# Altium PCB k210.PcbDoc (part 1 of 2) (continued)
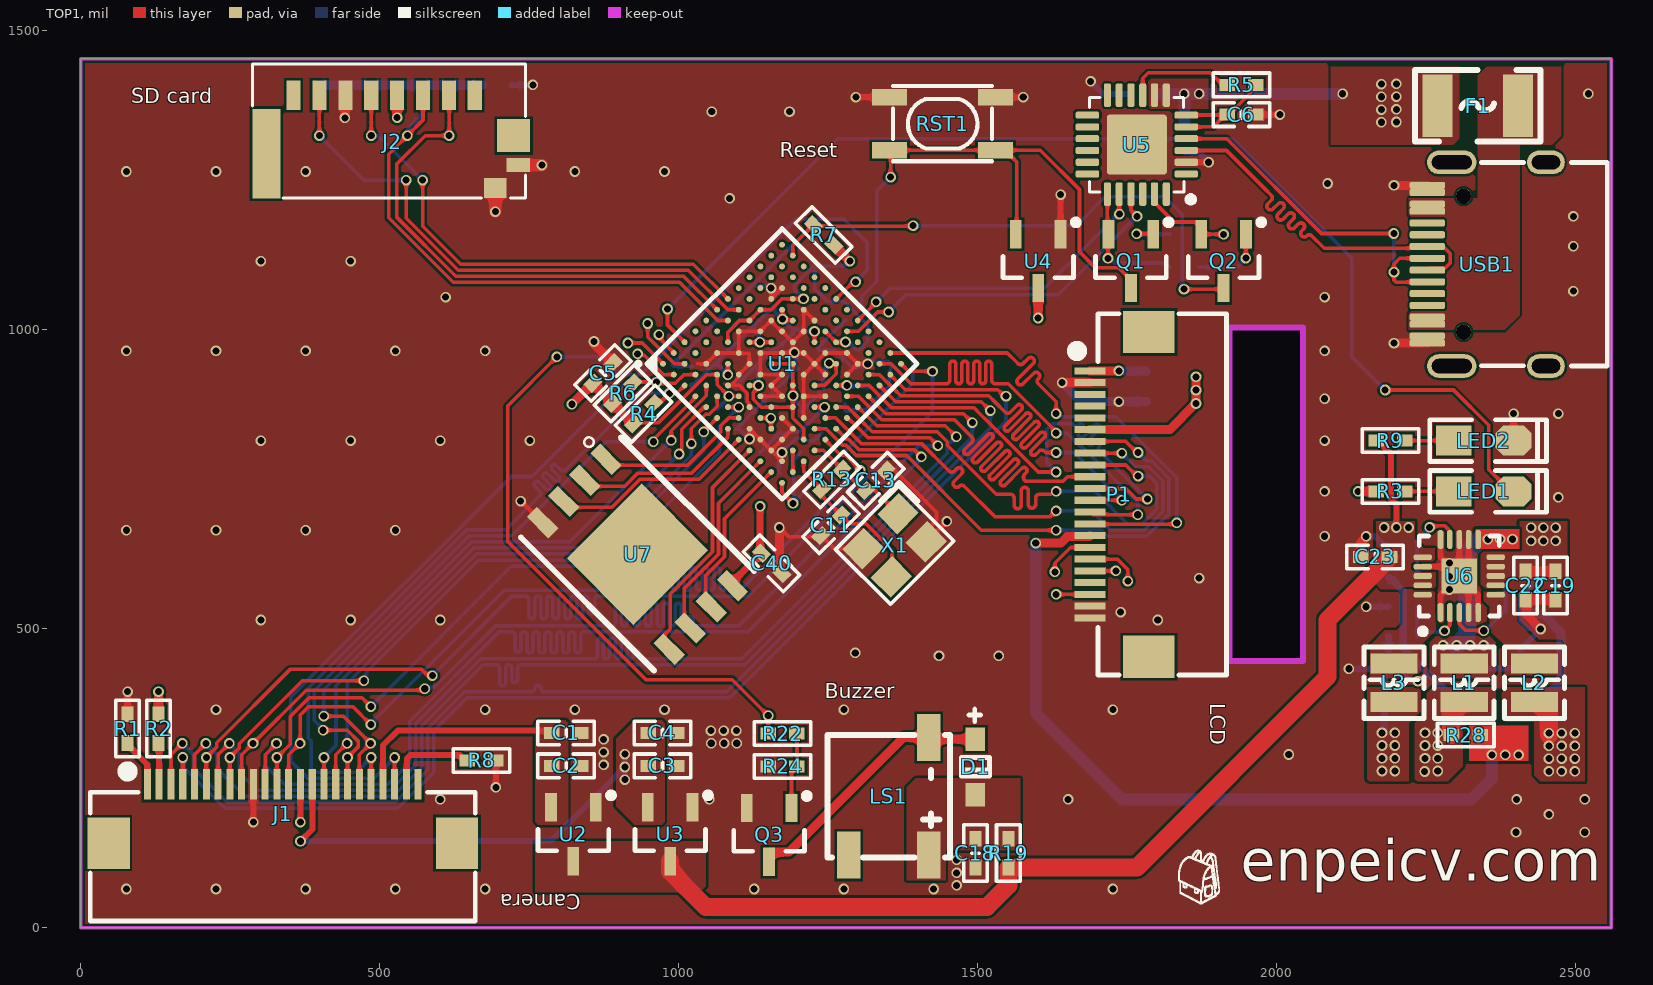
[diagram p0: TOP1 view]
## Footprints (in the part's own frame and the unit in brackets; to place one, negate y for a bottom-side part, rotate by r counter-clockwise, add the part's x,y. Pads: shape width x height; smd on the part's side, far side on the other; paste and mask are expansions set on the pad)
BGA144C65P12X12_800X800X95 [mm] "BGA, 144-Leads, Body 8.00x8.00mmx0.95mm, Pitch 0.65mm"
  round 0.25 smd mask+0.051: A1(-3.575,3.575) A2(-2.925,3.575) A3(-2.275,3.575) A4(-1.625,3.575) A5(-0.975,3.575) A6(-0.325,3.575) A7(0.325,3.575) A8(0.975,3.575) A9(1.625,3.575) A10(2.275,3.575) A11(2.925,3.575) A12(3.575,3.575) B1(-3.575,2.925) B2(-2.925,2.925) B3(-2.275,2.925) B4(-1.625,2.925) B5(-0.975,2.925) B6(-0.325,2.925) B7(0.325,2.925) B8(0.975,2.925) B9(1.625,2.925) B10(2.275,2.925) B11(2.925,2.925) B12(3.575,2.925) C1(-3.575,2.275) C2(-2.925,2.275) C3(-2.275,2.275) C4(-1.625,2.275) C5(-0.975,2.275) C6(-0.325,2.275) C7(0.325,2.275) C8(0.975,2.275) C9(1.625,2.275) C10(2.275,2.275) C11(2.925,2.275) C12(3.575,2.275) D1(-3.575,1.625) D2(-2.925,1.625) D3(-2.275,1.625) D4(-1.625,1.625) D5(-0.975,1.625) D6(-0.325,1.625) D7(0.325,1.625) D8(0.975,1.625) D9(1.625,1.625) D10(2.275,1.625) D11(2.925,1.625) D12(3.575,1.625) E1(-3.575,0.975) E2(-2.925,0.975) E3(-2.275,0.975) E4(-1.625,0.975) E5(-0.975,0.975) E6(-0.325,0.975) E7(0.325,0.975) E8(0.975,0.975) E9(1.625,0.975) E10(2.275,0.975) E11(2.925,0.975) E12(3.575,0.975) F1(-3.575,0.325) F2(-2.925,0.325) F3(-2.275,0.325) F4(-1.625,0.325) F5(-0.975,0.325) F6(-0.325,0.325) F7(0.325,0.325) F8(0.975,0.325) F9(1.625,0.325) F10(2.275,0.325) F11(2.925,0.325) F12(3.575,0.325) G1(-3.575,-0.325) G2(-2.925,-0.325) G3(-2.275,-0.325) G4(-1.625,-0.325) G5(-0.975,-0.325) G6(-0.325,-0.325) G7(0.325,-0.325) G8(0.975,-0.325) G9(1.625,-0.325) G10(2.275,-0.325) G11(2.925,-0.325) G12(3.575,-0.325) H1(-3.575,-0.975) H2(-2.925,-0.975) H3(-2.275,-0.975) H4(-1.625,-0.975) H5(-0.975,-0.975) H6(-0.325,-0.975) H7(0.325,-0.975) H8(0.975,-0.975) H9(1.625,-0.975) H10(2.275,-0.975) H11(2.925,-0.975) H12(3.575,-0.975) J1(-3.575,-1.625) J2(-2.925,-1.625) J3(-2.275,-1.625) J4(-1.625,-1.625) J5(-0.975,-1.625) J6(-0.325,-1.625) J7(0.325,-1.625) J8(0.975,-1.625) J9(1.625,-1.625) J10(2.275,-1.625) J11(2.925,-1.625) J12(3.575,-1.625) K1(-3.575,-2.275) K2(-2.925,-2.275) K3(-2.275,-2.275) K4(-1.625,-2.275) K5(-0.975,-2.275) K6(-0.325,-2.275) K7(0.325,-2.275) K8(0.975,-2.275) K9(1.625,-2.275) K10(2.275,-2.275) K11(2.925,-2.275) K12(3.575,-2.275) L1(-3.575,-2.925) L2(-2.925,-2.925) L3(-2.275,-2.925) L4(-1.625,-2.925) L5(-0.975,-2.925) L6(-0.325,-2.925) L7(0.325,-2.925) L8(0.975,-2.925) L9(1.625,-2.925) L10(2.275,-2.925) L11(2.925,-2.925) L12(3.575,-2.925) M1(-3.575,-3.575) M2(-2.925,-3.575) M3(-2.275,-3.575) M4(-1.625,-3.575) M5(-0.975,-3.575) M6(-0.325,-3.575) M7(0.325,-3.575) M8(0.975,-3.575) M9(1.625,-3.575) M10(2.275,-3.575) M11(2.925,-3.575) M12(3.575,-3.575)
  silkscreen extent -4.39,-4.06 4.06,4.39, body extent -4,-4 4,4, height 0.95
BUZ-SMD_4P-L5.0-W5.0-P3.80-TL [mm]
  rect 1x2 smd: 1(-1.7,2.5) 2(-1.7,-2.5) 3(1.7,2.5)
  silkscreen extent -2.6,-2.6 2.6,2.6, body extent -2.5,-2.48 2.5,2.53, height 2.51
"C 0402_M" [mil] "无极性贴片电容                                  淘宝ID:黄晶宝石"
  rect 26x20 smd: 1(-24,0) 2(24,0)
  silkscreen extent -47,-20 47,20, body extent -20,-10 20,10, height 21
"FPC0.5 2H-WS-22P" [mm] "长：15.2mm，宽：5.2mm，高：2mm 淘宝ID:黄晶宝石   店铺网址:https://shop463601444.taobao.com"
  rect 1.8x2.2 smd: 0(-6.9,0) 0(6.9,0)
  rect 0.3x1.3 smd: 1(-5.25,-2.497) 2(-4.75,-2.497) 3(-4.25,-2.497) 4(-3.75,-2.497) 5(-3.25,-2.497) 6(-2.75,-2.497) 7(-2.25,-2.497) 8(-1.75,-2.497) 9(-1.25,-2.497) 10(-0.75,-2.497) 11(-0.25,-2.497) 12(0.25,-2.497) 13(0.75,-2.497) 14(1.25,-2.497) 15(1.75,-2.497) 16(2.25,-2.497) 17(2.75,-2.497) 18(3.25,-2.497) 19(3.75,-2.497) 20(4.25,-2.497) 21(4.75,-2.497) 22(5.25,-2.497)
  silkscreen extent -7.68,-3.23 7.68,3.3, body extent -7.6,-2.85 7.6,3.15, height 2
"FPC0.5 2H-WS-24P" [mm] "长：16.2mm，宽：5.2mm，高：2mm 淘宝ID:黄晶宝石   店铺网址:https://shop463601444.taobao.com"
  rect 1.8x2.2 smd: 0(-7.4,0) 0(7.4,0)
  rect 0.3x1.3 smd: 1(-5.75,2.497) 2(-5.25,2.497) 3(-4.75,2.497) 4(-4.25,2.497) 5(-3.75,2.497) 6(-3.25,2.497) 7(-2.75,2.497) 8(-2.25,2.497) 9(-1.75,2.497) 10(-1.25,2.497) 11(-0.75,2.497) 12(-0.25,2.497) 13(0.25,2.497) 14(0.75,2.497) 15(1.25,2.497) 16(1.75,2.497) 17(2.25,2.497) 18(2.75,2.497) 19(3.25,2.497) 20(3.75,2.497) 21(4.25,2.497) 22(4.75,2.497) 23(5.25,2.497) 24(5.75,2.497)
  silkscreen extent -8.18,-3.3 8.18,3.23, body extent -8.1,-3.15 8.1,2.85, height 2
"FU 1210" [mil] "贴片保险丝        淘宝ID:黄晶宝石"
  rect 50x105 smd: 1(-67.5,0) 2(67.5,0)
  silkscreen extent -105,-60 105,60, body extent -63,-50 63,50, height 34
"LED 0805G" [mil] "绿色0805LED                              淘宝ID:黄晶宝石"
  rect 60x50 smd: 1(-50,0)
  oct 60x50 smd: 2(50,0)
  silkscreen extent -90,-35 105,35, body extent -39,-25 39,25, height 26
NR2520 [mm] "2.5mm*2.0mm*1.0mm(长*宽*高）"
  rect 0.85x2 smd: 1(-0.825,0) 2(0.825,0)
  silkscreen extent -1.52,-1.27 1.52,1.27, body extent -1.25,-1 1.25,1, height 1.1
"OSC 3225-4P" [mm] "3.2*2.5*0.7mm(长宽高)                         淘宝ID:黄晶宝石"
  rect 1.3x1.2 smd: 1(-1.05,-0.85) 2(1.05,-0.85) 3(1.05,0.85) 4(-1.05,0.85)
  silkscreen extent -2.03,-1.75 1.9,1.65, body extent -1.6,-1.25 1.6,1.25, height 0.7
QFN20_40P300X300X80_HS-21N [mm] "QFN, 20-Leads, Body 3.00x3.00mm, Pitch 0.40mm, Thermal Pad 1.65x1.65mm, IPC Medium Density"
  oct 0.8x0.24 smd: 1(-1.55,0.8) 2(-1.55,0.4) 3(-1.55,0) 4(-1.55,-0.4) 5(-1.55,-0.8) 11(1.55,-0.8) 12(1.55,-0.4) 13(1.55,0) 14(1.55,0.4) 15(1.55,0.8)
  oct 0.24x0.8 smd: 6(-0.8,-1.55) 7(-0.4,-1.55) 8(0,-1.55) 9(0.4,-1.55) 10(0.8,-1.55) 16(0.8,1.55) 17(0.4,1.55) 18(0,1.55) 19(-0.4,1.55) 20(-0.8,1.55)
  rect 1.5x1.5 smd: 21(0,0)
  silkscreen extent -2.47,-1.7 1.7,1.7, body extent -1.56,-1.56 1.56,1.56, height 0.8
QFN-24_L4.0-W4.0-P0.50-BL-EP2.8 [mm]
  rrect50% 0.3x1 smd: 1(-1.25,-2.1) 2(-0.75,-2.1) 3(-0.25,-2.1) 4(0.25,-2.1) 5(0.75,-2.1) 6(1.25,-2.1) 13(1.25,2.1) 14(0.75,2.1) 15(0.25,2.1) 16(-0.25,2.1) 17(-0.75,2.1) 18(-1.25,2.1)
  rrect50% 1x0.3 smd: 7(2.1,-1.25) 8(2.1,-0.75) 9(2.1,-0.25) 10(2.1,0.25) 11(2.1,0.75) 12(2.1,1.25) 19(-2.1,1.25) 20(-2.1,0.75) 21(-2.1,0.25) 22(-2.1,-0.25) 23(-2.1,-0.75) 24(-2.1,-1.25)
  rrect10% 2.55x2.55 smd: 25(0,0)
  silkscreen extent -2.58,-2.54 2.01,2.01, body extent -2,-2 2,2, height 0.9
"R 0402_M" [mil] "1/16W贴片电阻       淘宝ID:黄晶宝石"
  rect 26x20 smd: 1(-24,0) 2(24,0)
  silkscreen extent -47,-20 47,20, body extent -20,-10 20,10, height 12
SMD-3.2*4.2 [mm]
  rect 1.5x0.7 smd: 1(-2.25,1.125) 1(2.25,1.125) 2(-2.25,-1.125) 2(2.25,-1.125)
  silkscreen extent -2.1,-1.6 2.1,1.6, body extent -2.73,-1.6 2.47,1.58, height 1.8
SOD-323 [mm]
  rect 1x0.83 smd: 1(0,0) 2(2.36,0)
  silkscreen extent -1.28,-0.6 1.58,0.6
SOT23-3N [mm] "3x1.3x1mm(长宽高)    封装库来自淘宝卖家 ID：黄晶宝石"
  rect 0.5x1.2 smd: 1(-0.95,-1.143) 2(0.95,-1.143) 3(0,1.143)
  silkscreen extent -1.73,-1.78 1.5,0.7, body extent -1.5,-1.2 1.5,1.2, height 1.05
"TF-SOCKET - short" [mm]
  rect 1.25x0.6 smd: 1(-1.975,3.5) 2(-1.975,2.4) 3(-1.975,1.3) 4(-1.975,0.2) 5(-1.975,-0.9) 6(-1.975,-2) 7(-1.975,-3.1) 8(-1.975,-4.2)
  rect 0.85x0.95 smd: 9(1.975,4.375)
  rect 0.6x1 smd: 10(1,5.35)
  rect 3.8x1.2 smd: G1(0.51,-5.35)
  rect 1.4x1.4 smd: G2(-0.25,5.15)
  silkscreen extent -3.3,-5.95 2.39,5.65, body extent -3.16,-5.82 2.29,5.58, height 2.27
Type-C-TOP [mm]
  round 0.65 hole 0.65: 0(-0.98,-2.89) 0(-0.98,2.89)
  oval 1.6x1 hole 0.6 slot 1.2 at 0 deg: 1(2.52,4.325) 2(2.52,-4.325)
  oval 2.1x1 hole 0.6 slot 1.7 at 0 deg: 3(-1.48,-4.325) 4(-1.48,4.325)
  rrect50% 1.5x0.3 smd: A1(-2.52,-3.35) A4(-2.52,-2.55) A5(-2.52,-1.25) A6(-2.52,-0.25) A7(-2.52,0.25) A8(-2.52,1.25) A9(-2.52,2.55) A12(-2.52,3.35) B1(-2.52,3.05) B4(-2.52,2.25) B5(-2.52,1.75) B6(-2.52,0.75) B7(-2.52,-0.75) B8(-2.52,-1.75) B9(-2.52,-2.25) B12(-2.52,-3.05)
  silkscreen extent -0.22,-4.33 5.12,4.33, body extent -2.64,-4.48 5.26,4.46, height 3.28
WSON-8_L8.0-W6.10-P1.27-BL-EP [mm]
  rect 0.6x1.3 smd: 1(-1.905,-3.8) 2(-0.635,-3.8) 3(0.635,-3.8) 4(1.905,-3.8) 5(1.905,3.8) 6(0.635,3.8) 7(-0.635,3.8) 8(-1.905,3.8)
  rect 4.5x4 smd: 9(0,0)
  silkscreen extent -3,-5.03 3,4, body extent -3,-4.04 3,3.96, height 0.81

## Part data
C1 C2 C3 C4 C5 C6 C7 C8 C9 C10 C11 C12 C13 C14 C15 C16 C17 C18 C19 C20 C21 C22 C23 C24 C25 C26 C27 C28 C29 C30 C31 C32 C33 C34 C35 C36 C37 C38 C39 C40 C41 C42: library part C, "贴片电容"
D1: "开关二极管"
F1: library part FU, "贴片保险丝"
J1: library part OV5640, "Header, 24-Pin", LatestRevisionDate=17-Jul-2002, LatestRevisionNote="Re-released for DXP Platform.", Publisher="Altium Limited"
J2: library part TF_Card, "TF卡座"
L1 L2 L3: library part L-NR, "NR磁胶电感"
LED1 LED2: library part LED-SMD, "贴片LED"
LS1: "蜂鸣器"
P1: library part FPC22_new
Q1 Q2 Q3: library part 8050-SMD, "高频放大-NPN型"
R1 R2 R3 R4 R5 R6 R7 R8 R9 R10 R11 R12 R13 R14 R15 R16 R17 R18 R19 R20 R21 R22 R23 R24 R25 R26 R27 R28: library part R, "贴片电阻"
RST1: library part KEY_M
U1: "Canaan Kendryte K210 AI SoC", VENDOR="CANAAN INC."
U2 U3: library part XC6206-3.3, "SOT-23,XC6206P332MR,MAX8V,100mA"
U7: "WSON-8"
USB1: library part USB_Type-C
X1: library part XTAL-4P, "4脚无源晶振"

## Via types
v1: diameter 17.72, hole 11.81, TOP1 to Bottom 4, tented both sides, 294 vias

## Nets (pads, with @x,y where several pads share a name; then routed paths per layer and width w, separated by ;. In a path a pad name is that pad's centre, name@x,y a point inside that pad or via, vN(x,y) a via of type N, cw(c..) or ccw(c..) an arc to the next point about the centre after c; other vN are vias at no path point)
0V9: C29.2 C30.2 C31.1 C32.1 C33.1 C34.1 C35.1 C36.1 C37.1 C38.1 C39.1 C41.1 C42.1 L3.2 R26.2 U1.D4 U1.D6 U1.D9 U1.E7 U1.E9 U1.F4 U1.F6 U1.G7 U1.G9 U1.H4 U1.H6 U1.J5 U1.J7 U1.J9 U1.L4 | length 1273.3
  TOP1 w6: v1(1082.08,925) U1.D4@1082.08,943.39 ; U1.F4@1118.27,907.2 1118.32,907.15 v1(1133.23,907.15) 1133.23,903.98 1124.45,895.19 1124.45,884.16 1137.6,871 U1.J5@1190.65,871 ; U1.D6@1118.27,979.58 1118.34,979.51 v1@1130.35,979.51 ; v1(1135.55,979.51) 1154.43,979.54 U1.E7@1154.46,979.58 ; U1.F6@1154.46,943.39 U1.G7@1190.65,943.39 U1.H6@1190.65,907.2 U1.J5@1190.65,871 ; U1.D9@1172.56,1033.86 1173.37,1033.05 v1(1173.37,1017.98) 1174.84,1016.5 1189.92,1016.5 U1.E9@1190.65,1015.77 ; U1.L4@1208.75,816.72 1208.75,834.81 1190.65,852.91 U1.J5@1190.65,871 ; U1.J7@1226.84,907.2 1243.7,907.2 1263.04,926.53 U1.J9@1263.04,943.39 v1@1250.94,943.39 ; U1.G9@1226.84,979.58 v1(1226.83,997.53)
  Bottom 4 w6: C38.1@1023.07,907.37 1023.52,907.37 C34.1@1056.99,940.83 C34.1@1057.89,940.83 ; v1(1082.08,925) 1066.25,940.83 C34.1@1057.89,940.83 ; C32.1@1096.09,901.92 1096.09,907.2 1157.52,968.62 C33.1@1164.68,968.62 C37.1@1198.03,1001.97 ; C36.1@1130.39,935.27 1132.51,933.15 1132.51,907.87 v1(1133.23,907.15) ; v1(1135.55,979.51) 1133.3,981.75 1133.3,990.29 1125.73,997.86 C31.1@1125.73,1007.76 ; v1(1190.94,890) 1193.19,887.76 1193.19,883.41 1204.84,871.75 1204.84,863.5 C41.1@1237.25,895.91 ; v1(1226.83,997.53) 1203.42,997.53 C37.1@1198.97,1001.97 C37.1@1198.03,1001.97 ; C41.1@1243.46,900.68 1241.46,902.69 1241.46,931.5 1251.29,941.33 v1(1251.29,944.5) ; C34.1@1057.89,940.83 C39.1@1091.36,974.3 1092.27,974.3 C31.1@1125.73,1007.76 ; C31.1@1125.73,1007.76 1126.64,1007.76 C35.1@1160.1,1041.23 1160.1,1031.33 1173.37,1018.07 v1(1173.37,1017.98) 1189.37,1001.97 C37.1@1198.03,1001.97
  Bottom 4 w12: C38.1@1022.61,907.37 C38.1@1023.07,907.37 ; v1(2175.94,326.12) 2175.94,327.66 2180,331.72 2180,447.14 2186.58,453.72 R26.2@2186.58,487.21
  other v1: 2175.94,262.36 2197.37,262.36 2175.94,283.48 2197.37,283.48 2175.94,305 2197.37,305 2197.37,326.12
1V8: C20.2 C21.2 C27.1 C28.1 C40.2 L1.2 R10.2 R20.2 R28.2 U1.H3 U1.J3 U1.K6 U1.K8 U7.8 | length 2609.5
  TOP1 w6: U1.H3@1136.37,852.91 1136.54,852.74 1153.76,852.74 v1(1153.94,852.56) 1153.94,835.34 U1.J3@1154.46,834.81 ; U1.K6@1226.84,871 v1(1243.7,871) ; U1.K8@1263.04,907.2 v1(1280.94,907.2)
  TOP1 w12: U7.8@1089.77,572.24 1089.77,578.42 C40.2@1138.04,626.7 1135.92,628.82 v1(1135.94,705)
  TOP1 w30: R28.2@2291.94,322.5 2291.94,375.81 2293.68,377.54 L1.2@2313.44,377.54
  PWR3 w20: v1(1280.94,907.2) 1244.23,870.48 1226.31,852.56 v1(1153.94,852.56) 1140.94,839.57 1140.94,710 v1(1135.94,705) 1135.94,636.16 1152.1,620 1755.94,620 1775.94,600 1775.94,290 1870.94,195 2200,195 2247.16,242.16 v1(2247.16,261.5)
  Bottom 4 w6: C27.1@1135.18,794.55 1170.1,829.47 R10.2@1170.1,829.58 1172.22,827.46 1182.12,827.46 1184.24,829.58 1202.28,829.58 v1(1243.7,871) ; v1(1280.94,907.2) 1282.42,905.72 1313.85,905.72 C28.1@1315.98,903.6
  Bottom 4 w12: R20.2@2186.85,585.05 2189.85,585.05 2211.58,563.32 2211.58,467.35 2289.91,389.02 C21.2@2289.91,386.02
  other v1: 2269.22,262.38 2247.8,283.49 2269.22,283.49 2247.8,305.01 2269.22,305.01 2247.8,326.13 2269.22,326.13
3V3: C10.1 C12.2 C14.2 C15.2 C16.2 C17.2 C25.2 C26.2 J2.4 L2.2 P1.6 R2.2 R3.1 R7.2 R14.1 R15.1 R16.1 R17.1 R18.1 R23.2 U1.C5 U1.C7 U1.C8 U1.D10 U1.G10 U1.H10 U4.3 | length 1596.7
  TOP1 w6: U1.C5@1082.08,979.58 1082.08,996.44 1101.41,1015.77 U1.C7@1118.27,1015.77 U1.C8@1136.37,1033.86 1154.46,1033.86 1172.56,1051.96 U1.D10@1190.65,1051.96 1190.83,1052.14 v1(1208.49,1052.14) v1@1208.49,1052.3 ; U1.G10@1244.94,997.67 U1.H10@1263.04,979.58 1263.46,980 1263.58,979.88 v1(1278.66,979.88)
  TOP1 w15: R2.2@129.83,357.24 v1(129.83,395) ; v1(528.81,1355) J2.4@528.81,1392.75 ; R7.2@1259.08,1141.92 v1(1286,1115) ; v1(1600.94,1020) U4.3@1600.94,1070 ; P1.6@1687.64,833.27 1821.03,833.27 v1(1864.79,877.04) v1(1864.79,899.33) v1(1864.79,921.62) ; v1(2135.94,730) R3.1@2165.94,730
  TOP1 w30: L2.2@2430.94,377.54 2453.21,377.54 2454.94,375.81 v1@2454.94,322.5
  Bottom 4 w6: v1(1208.49,1052.14) 1192.83,1067.8 C16.2@1192.83,1074.53 1224.81,1106.51 C14.2@1224.81,1108.79 C14.2@1226.93,1106.67 ; v1(1278.66,979.88) 1284.24,979.88 1297.01,967.11 1301.98,967.11 1316.11,981.23 1316.11,991.13 1316.11,1007.68 1275.91,1047.88 1248.07,1047.88 C15.2@1245.95,1050 1226.93,1069.01 C14.2@1226.93,1106.67 ; v1(1286,1115) 1282.83,1115 1274.5,1106.67 C14.2@1226.93,1106.67
  Bottom 4 w15: R17.1@395.94,1409 396.44,1409.5 525.94,1409.5 ; v1(528.81,1355) 528.81,1406.63 525.94,1409.5 ; C10.1@671.94,1410 671.44,1409.5 525.94,1409.5 ; R23.2@2430.22,527.5 2432.72,525 2444.96,525 2475.18,494.78 2475.18,410.71 2453.68,389.21 C26.2@2453.68,386.21
  other v1: 2454.86,261.91 2476.28,261.91 2498.37,261.91 2454.86,283.03 2476.28,283.03 2498.37,283.03 2454.86,304.55 2476.28,304.55 2498.37,304.55 2454.86,325.66 2476.28,325.66 2498.37,325.66
AGND: J1.23 R8.2 | length 165.3
  TOP1 w10: J1.23@544.33,240 545.24,240.91 545.24,283.05 551.09,288.91 634.09,288.91 643,280 661,280
AVDD_2V8: C1.2 C2.2 J1.21 U2.2 | length 359.6
  TOP1 w10: J1.21@504.96,240 504.96,304.96 530,330 783.66,330 C1.2@787.58,326.09
BEEP: R22.1 U1.F12 | length 1702.5
  TOP1 w6: v1(795.94,955) 713.51,872.57 713.51,646.49 945,415 1089.54,415 v1(1149.54,355) R22.1@1149.54,325 ; U1.F12@1263.04,1051.96 1291.59,1080.51 v1(1295.7,1080.51)
  Bottom 4 w6: v1(795.94,955) 865.94,955 895.94,925 935.94,925 1195.94,1185 1275.94,1185 1314.77,1146.17 1314.77,1099.58 v1(1295.7,1080.51)
BOOT: Q2.3 R7.1 U1.B12 | length 913.3
  TOP1 w6: U1.B12@1190.65,1124.34 1190.65,1141.37 R7.1@1225.14,1175.86 1227.26,1173.74 1391.22,1173.74 v1(1391.93,1174.45) ; v1(1844.74,1068.18) 1909.12,1068.18 Q2.3@1910.94,1070 ; Q2.3@1907.83,1073.11 Q2.3@1910.94,1076.22
  Bottom 4 w6: v1(1391.93,1174.45) 1664.45,1174.45 1712.51,1222.51 1812.49,1222.51 1841.94,1193.06 1841.94,1070.97 v1(1844.74,1068.18)
DTR: Q2.2 R11.1 U5.23 | length 200.7
  TOP1 w6: U5.23@1795.47,1227.32 1795.47,1213.54 1802.25,1206.76 1802.25,1206.47 1828.1,1180.62 1866.7,1180.62 1873.54,1173.78 Q2.2@1873.54,1160 v1(1910.94,1160)
  Bottom 4 w6: R11.1@1869.94,1160 v1(1910.94,1160)
DVDD_1V3: C3.2 C4.2 J1.15 U3.2 | length 740.3
  TOP1 w10: v1(367.16,144.96) 387.21,165 387.21,239.34 386.7,239.85 J1.15@386.85,240
  Bottom 4 w10: v1(367.16,144.96) 785.53,144.96 v1(909.72,269.15) ; v1(909.72,248.04) v1(909.72,269.15) ; v1(909.72,290.67) v1(909.72,269.15)
DVP_HREF: J1.16 U1.E1 | length 1007.2
  TOP1 w6: J1.16@406.54,240 v1(406.54,285) ; v1(1000.51,792.64) 1000.51,795.81 1005.09,800.38 1005.09,834.14 1041.21,870.27 1045.16,870.27 U1.E1@1045.89,871
  Bottom 4 w6: v1(406.54,285) 426.63,305.09 426.63,404.91 657.29,635.57 843.45,635.57 v1(1000.51,792.64)
DVP_PCLK: J1.8 U1.F1 | length 1124.8
  TOP1 w6: J1.8@249.06,240 v1(249.06,285) 265,300.94 265,308.21 370.11,413.32 v1(473.2,413.32) ; v1(1041.6,829.5) 1041.6,830.52 U1.F1@1063.99,852.91
  Bottom 4 w6: v1(473.2,413.32) 473.2,416.49 477.39,420.68 477.39,427.39 665,615 859.45,615 1041.6,797.15 v1(1041.6,829.5)
DVP_PWDN: J1.17 U1.E2 | length 1030.6
  TOP1 w6: J1.17@426.22,240 426.22,289.53 v1(445.24,308.54) ; v1(1020.94,810) 1020.94,835 1045.03,859.08 1050.83,859.08 1063.99,872.24 U1.E2@1063.99,889.1
  Bottom 4 w6: v1(445.24,308.54) 445.24,409.38 661.43,625.57 855.88,625.57 1020.94,790.64 v1(1020.94,810)
DVP_RST: J1.19 U1.D2 | length 1088.2
  TOP1 w6: v1(406.07,354.07) 439.07,354.07 v1(484.61,308.54) 465.59,289.53 J1.19@465.59,240 ; v1(987.28,815.41) 987.28,831.34 1045.89,889.95 U1.D2@1045.89,907.2
  Bottom 4 w6: v1(406.07,354.07) 406.07,398.5 653.15,645.57 817.44,645.57 v1(987.28,815.41)
DVP_SCL: J1.20 R4.1 U1.C1 | length 1287.6
  TOP1 w6: J1.20@485.28,240 v1(485.28,285) ; R4.1@957.92,876.97 967.03,876.97 v1(984,893.94) 996.45,893.94 U1.C1@1009.7,907.2
  Bottom 4 w6: v1(485.28,285) 460.28,260 391.61,260 385.03,266.59 385.03,312.44 380.22,317.25 380.22,400.93 644.86,665.57 710.57,665.57 765,720 767.12,722.12 ccw(c762.88,726.36) 767.12,730.61 759.47,738.26 cw(c763.01,741.79) 759.47,745.33 cw(c763.01,741.79) 766.54,745.33 777.83,734.04 ccw(c781.36,737.58) 784.9,741.11 773.61,752.4 cw(c777.15,755.94) 773.61,759.47 cw(c777.15,755.94) 780.68,759.47 791.97,748.18 ccw(c795.51,751.72) 799.04,748.18 ccw(c795.51,751.72) 799.04,755.26 787.85,766.45 cw(c791.39,769.98) 794.92,773.52 802.48,765.96 ccw(c806.72,770.2) 810.96,765.96 870,825 938.94,893.94 v1(984,893.94)
DVP_SDA: J1.22 R6.1 U1.C2 | length 1290.9
  TOP1 w6: J1.22@524.65,240 v1(524.65,285) ; R6.1@923.03,911.02 925.15,913.14 962.33,913.14 v1(962.62,912.84) ; v1@965.87,910.93 994.11,910.93 1008.47,925.29 U1.C2@1027.8,925.29
  Bottom 4 w6: v1(524.65,285) 489.65,250 379.74,250 350.64,279.1 350.64,385.64 720,755 755,755 912.84,912.84 v1(962.62,912.84)
DVP_VSYNC: J1.18 U1.D1 | length 1063
  TOP1 w6: v1(405.06,330.57) 445.64,330.57 463.51,312.69 463.51,302.61 v1(445.91,285) J1.18@445.91,240 ; v1(957.33,813.07) 957.33,816.24 962.3,821.22 962.3,821.36 1025.88,884.93 1025.88,886.14 1027.8,888.06 U1.D1@1027.8,889.1
  Bottom 4 w6: v1(405.06,330.57) 405.06,332.66 390.22,347.5 390.22,396.78 649,655.57 720.57,655.57 878.07,813.07 v1(957.33,813.07)
DVP_XCLK: J1.12 U1.F2 | length 1143.2
  TOP1 w6: J1.12@327.8,240 v1(327.8,285) 350,307.2 350,353.44 381.56,385 470,385 v1(485,370) ; U1.F2@1082.08,871 1082.17,870.92 1100.11,870.92 v1(1100.2,870.84)
  Bottom 4 w6: v1(485,370) 485,370.08 719.92,605 877.73,605 1067.46,794.73 1067.46,838.1 v1(1100.2,870.84)
DVP_Y2: J1.6 U1.M12 | length 2025.3
  TOP1 w6: J1.6@209.69,240 v1(209.69,285) 227.22,302.53 227.22,309.8 349.66,432.24 570.19,432.24 580.61,421.82 v1(587.82,421.82) ; U1.M12@1371.61,943.39 1384.14,930.86 v1(1424.19,930.86)
  Bottom 4 w6: v1(587.82,421.82) 721,555 730,555 743,555 cw(c743,549) 749,549 749,522 ccw(c754,522) 759,522 759,550 cw(c764,550) 769,550 769,522 ccw(c774,522) 779,522 779,550 cw(c784,550) 789,550 789,522 ccw(c794,522) 799,522 799,550 cw(c804,550) 809,550 809,522 ccw(c814,522) 819,522 819,550 cw(c824,550) 829,550 829,522 ccw(c834,522) 839,522 839,550 cw(c844,550) 849,550 849,529.82 ccw(c854,529.82) 859,529.82 859,549 cw(c865,549) 865,555 945,555 1020,555 1115.94,555 1244.35,683.41 1380.94,820 1424.19,863.24 v1(1424.19,930.86)
DVP_Y3: J1.4 U1.M11 | length 2024.9
  TOP1 w6: J1.4@170.31,240 v1(170.31,285) ; U1.M11@1353.51,925.29 1378.8,900 1533.19,900 1543.9,889.29 v1(1547.08,889.29)
  Bottom 4 w6: v1(170.31,285) 172.56,282.76 172.56,268.07 240.62,200 530,200 590,260 590,329.29 645.71,385 1085,385 1547.08,847.08 v1(1547.08,889.29)
DVP_Y4: J1.3 U1.M10 | length 2026.7
  TOP1 w6: J1.3@150.63,240 150.63,289.53 v1(169.64,308.54) ; U1.M10@1335.42,907.2 1362.61,880 1505.94,880 v1(1520.94,865)
  Bottom 4 w6: v1(169.64,308.54) 188.18,290 188.18,266.58 244.76,210 525.86,210 580,264.14 580,333.43 641.57,395 750,395 753,395 ccw(c753,401) 759,401 cw(c764,401) 769,401 ccw(c775,401) 775,395 834.74,395 1080,395 1520.94,835.94 v1(1520.94,865)
DVP_Y5: J1.5 U1.M9 | length 2025.4
  TOP1 w6: J1.5@190,240 190,289.53 v1(209.02,308.54) ; U1.M9@1317.32,889.1 1317.32,888.62 1345.94,860 1475.94,860 v1(1490.94,845)
  Bottom 4 w6: v1(209.02,308.54) 227.55,290 227.55,266.58 274.13,220 521.72,220 570,268.28 570,337.57 672.43,440 681.21,440 694.21,440 cw(c694.21,434) 700.21,434 700.21,410 ccw(c705.21,410) 710.21,410 710.21,435 cw(c715.21,435) 720.21,435 720.21,415.52 ccw(c725.21,415.52) 730.21,415.52 730.21,434 cw(c736.21,434) 736.21,440 840,440 860,440 1110,440 1490.94,820.94 v1(1490.94,845)
DVP_Y6: J1.7 U1.M8 | length 2025.5
  TOP1 w6: J1.7@229.37,240 229.37,289.53 v1(248.39,308.54) ; U1.M8@1299.23,871 1299.94,871 1330.94,840 1445.5,840 v1(1464.05,821.45)
  Bottom 4 w6: v1(248.39,308.54) 265,291.93 265,260 295,230 517.57,230 560,272.43 560,341.72 668.28,450 855,450 858,450 ccw(c858,456) 864,456 864,480 cw(c869,480) 874,480 874,455 ccw(c879,455) 884,455 884,480 cw(c889,480) 894,480 894,455 ccw(c899,455) 904,455 904,480 cw(c909,480) 914,480 914,455 ccw(c919,455) 924,455 924,459.58 cw(c929,459.58) 934,459.58 934,456 ccw(c940,456) 940,450 1070,450 1105,450 1449,794 1449,806.4 v1(1464.05,821.45)
DVP_Y7: J1.9 U1.M7 | length 2025.7
  TOP1 w6: J1.9@268.74,240 268.74,289.53 v1(287.76,308.54) 376.68,397.46 572.46,397.46 v1(575,400) ; U1.M7@1281.13,852.91 1282.17,852.91 1284.09,850.99 1284.96,850.99 1315.94,820 1419.61,820 v1(1433.14,806.48)
  Bottom 4 w6: v1(575,400) 577.24,402.24 590.66,402.24 693.42,505 855,505 885,505 888,505 ccw(c888,511) 894,511 894,538 cw(c899,538) 904,538 904,510 ccw(c909,510) 914,510 914,538 cw(c919,538) 924,538 924,510 ccw(c929,510) 934,510 934,538 cw(c939,538) 944,538 944,510 ccw(c949,510) 954,510 954,538 cw(c959,538) 964,538 964,510 ccw(c969,510) 974,510 974,538 cw(c979,538) 984,538 984,510 ccw(c989,510) 994,510 994,538 cw(c999,538) 1004,538 1004,510 ccw(c1009,510) 1014,510 1014,515.66 cw(c1019,515.66) 1024,515.66 1024,511 ccw(c1030,511) 1030,505 1075,505 1080,505 1100,505 1115,520 1401.48,806.48 v1(1433.14,806.48)
DVP_Y8: J1.11 U1.M6 | length 2025.3
  TOP1 w6: J1.11@308.11,240 308.11,289.53 v1(327.13,308.54) ; U1.M6@1263.04,834.81 1280.34,817.51 1283.51,817.51 1301.02,800 1393.5,800 v1(1405.64,787.86)
  Bottom 4 w6: v1(327.13,308.54) 327.13,306.76 310,289.63 310,270 340,240 513.43,240 550,276.57 550,345.86 699.14,495 710,495 720,495 cw(c720,489) 726,489 726,466.67 ccw(c731,466.67) 736,466.67 736,490 cw(c741,490) 746,490 746,465 ccw(c751,465) 756,465 756,490 cw(c761,490) 766,490 766,465 ccw(c771,465) 776,465 776,490 cw(c781,490) 786,490 786,465 ccw(c791,465) 796,465 796,490 cw(c801,490) 806,490 806,465 ccw(c811,465) 816,465 816,490 cw(c821,490) 826,490 826,465 ccw(c831,465) 836,465 836,489 cw(c842,489) 842,495 845,495 850,495 895,495 1115,495 1405.64,785.64 v1(1405.64,787.86)
DVP_Y9: J1.13 U1.M5 | length 2025.5
  TOP1 w6: J1.13@347.48,240 347.48,289.53 v1(366.5,308.54) 366.5,355.79 380.64,369.93 454.92,369.93 v1(484.86,340) ; U1.M5@1244.94,816.72 1244.94,816 1270.71,790.23 1278.04,790.23 v1(1303.2,765.07)
  Bottom 4 w6: v1(484.86,340) 484.86,341.29 708.57,565 870,565 873,565 ccw(c873,571) 879,571 879,590.08 cw(c884,590.08) 889,590.08 889,570 ccw(c894,570) 899,570 899,598 cw(c904,598) 909,598 909,570 ccw(c914,570) 919,570 919,598 cw(c924,598) 929,598 929,570 ccw(c934,570) 939,570 939,598 cw(c944,598) 949,598 949,570 ccw(c954,570) 959,570 959,598 cw(c964,598) 969,598 969,570 ccw(c974,570) 979,570 979,598 cw(c984,598) 989,598 989,570 ccw(c994,570) 999,570 999,598 cw(c1004,598) 1009,598 1009,570 ccw(c1014,570) 1019,570 1019,598 cw(c1024,598) 1029,598 1029,570 ccw(c1034,570) 1039,570 1039,598 cw(c1044,598) 1049,598 1049,570 ccw(c1054,570) 1059,570 1059,598 cw(c1064,598) 1069,598 1069,570 ccw(c1074,570) 1079,570 1079,580.53 cw(c1084,580.53) 1089,580.53 1089,571 ccw(c1095,571) 1095,565 1103.13,565 1140,601.87 1232.94,694.81 v1(1303.2,765.07)
FLASH_CLK: U1.K1 U7.6 | length 335.7
  TOP1 w6: U7.6@1019.06,501.53 1009.31,511.28 1009.31,567.96 1066.26,624.91 1066.26,710.42 U1.K1@1136.37,780.53
FLASH_CS: U1.G2 U7.1 | length 264.8
  TOP1 w6: U7.1@878.19,783.82 887.94,774.07 1015.02,774.07 1070.16,829.22 1070.16,839.75 1083.32,852.91 U1.G2@1100.18,852.91
FLASH_IO0: U1.J1 U7.5 | length 396.3
  TOP1 w6: U7.5@983.7,466.18 973.96,475.92 973.96,488.38 985.61,500.03 985.61,558.4 1056.26,629.05 1056.26,736.61 U1.J1@1118.27,798.62
FLASH_IO1: U1.G1 U7.2 | length 291.1
  TOP1 w6: U7.2@842.85,748.45 852.59,738.71 909.27,738.71 930.87,760.3 1021.25,760.3 1082.08,821.14 U1.G1@1082.08,834.81
FLASH_IO2: U1.H1 U7.3 | length 343.7
  TOP1 w6: U7.3@807.49,713.1 817.24,703.35 888.06,703.35 935.01,750.3 1033.76,750.3 U1.H1@1100.18,816.72
FLASH_IO3: U1.L1 U7.7 | length 275.1
  TOP1 w6: U7.7@1054.41,536.89 1044.67,546.63 1044.67,589.17 1076.26,620.77 1076.26,684.23 U1.L1@1154.46,762.43